# KiCad board sun3_60_layout2_routing2.kicad_pcb (continued)
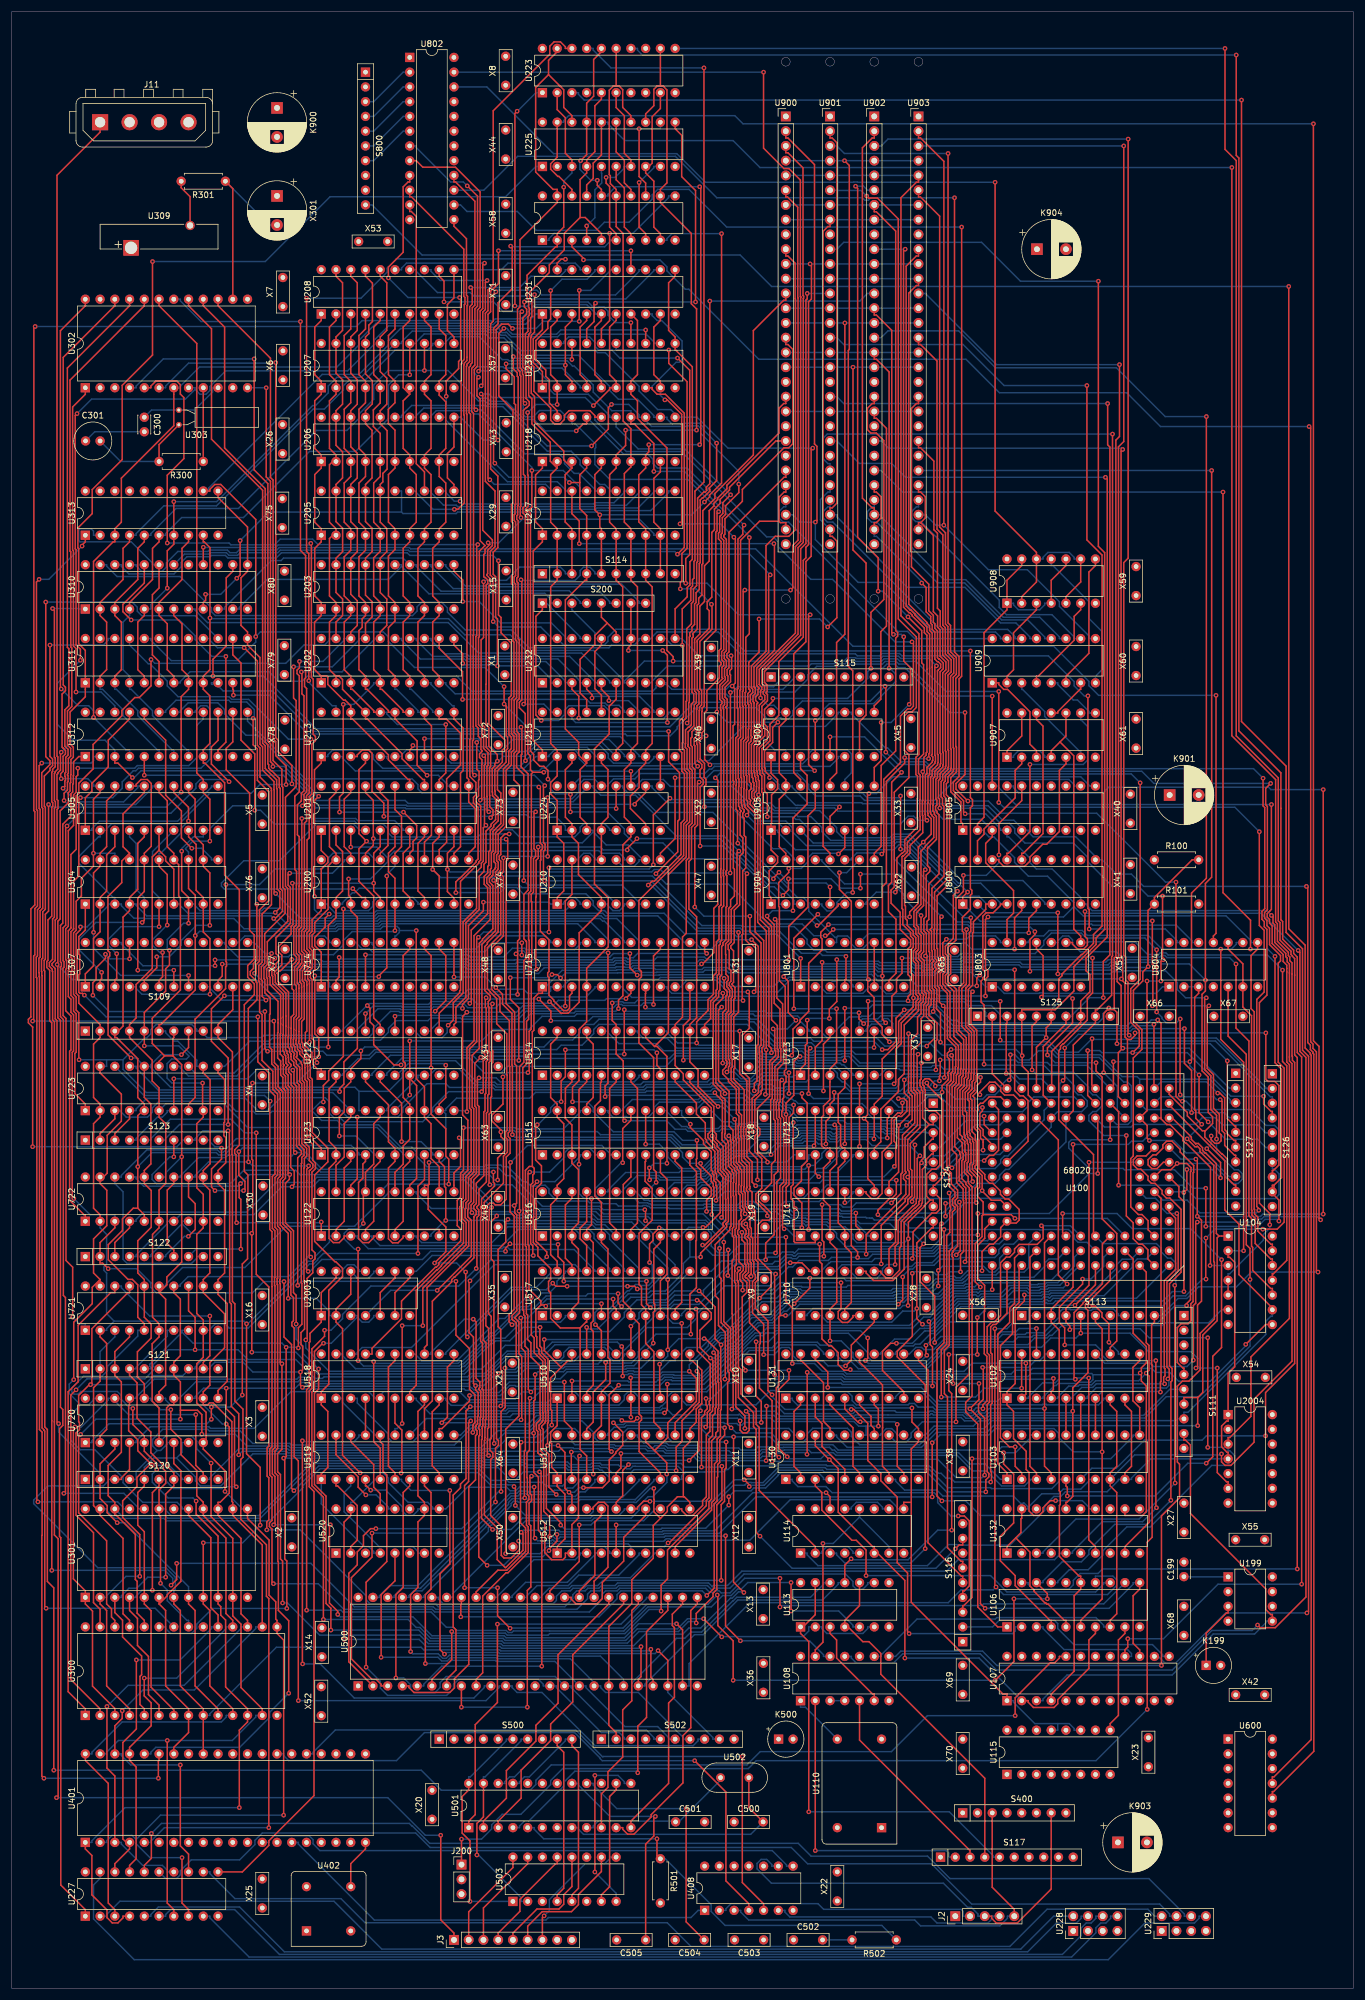
[diagram p0: board, top side]
## Routing (per net, layer and track width the routed paths; a pad name or vN(x,y) marks a point on that pad's centre or on a via; arc(x,y) is an arc through that point) (continued)
/Ethernet/E.D1: length 138
  Top w0.25: U500.8 v1(77.48,48.42) ; v1(89.55,88.19) 89.29,87.93 89.29,85.21 89.57,84.94 89.57,83.96 89.14,83.53 89.14,79.95 89.44,79.64 89.44,69.12 88.84,68.52 v1(88.84,48.42) ; v1(100.2,88.54) 100.2,95.5 101.6,96.9 U510.4 101.6,102.73 103.08,104.21 103.08,108.26 102.73,108.61 102.73,127.29 101.6,128.41 U516.5 101.6,135.32 100.47,136.44 100.47,151.89 101.44,152.86 101.44,155.93 101.6,156.09 U514.5
  Bottom w0.25: v1(89.55,88.19) 92.07,88.19 92.66,88.78 99.96,88.78 v1(100.2,88.54) ; v1(88.84,48.42) v1(77.48,48.42)
/Ethernet/E.D2: length 164.1
  Top w0.25: v1(84.25,100.28) 84.57,100.59 84.57,106.22 84.25,106.54 84.25,113.46 83.81,113.91 83.81,127.19 85.12,128.5 85.12,132.04 v1(85.5,132.42) ; U500.7 74.94,53.21 76.54,54.81 76.54,61.75 76.07,62.22 76.07,84.93 77.33,86.19 77.33,86.83 78.27,87.78 78.27,99.42 v1(79.02,100.16) ; U516.6 104.14,130.67 103.01,131.79 103.01,154.96 104.14,156.09 U514.6
  Bottom w0.25: U510.7 108.09,101.6 108.09,101.78 107.15,102.73 106.21,102.73 105.55,102.07 105.55,101.37 104.62,100.43 89.68,100.43 89.56,100.31 84.29,100.31 v1(84.25,100.28) 84.14,100.16 v1(79.02,100.16) ; v1(85.5,132.42) 85.72,132.2 97.44,132.2 97.69,131.95 100.2,131.95 100.65,131.49 102.19,131.49 U516.6
/Ethernet/E.D3: length 168.8
  Top w0.25: v1(111.63,107.48) 111.63,102.85 111.76,102.73 U510.8 ; U514.7 106.68,156.09 107.81,154.96 107.81,131.79 106.68,130.67 U516.7 ; v1(75.81,61.45) 75.81,56.62 72.4,53.21 U500.6 ; v1(111.89,64.97) 111.89,69.41 112.98,70.51 112.98,75.48 120.13,82.62 120.13,83.81 120.58,84.27 120.58,94.27 121.3,94.99 121.3,95.63 121.65,95.98 121.65,99.71 121.79,99.85 121.79,104.32 121.7,104.41 121.7,109.71 119.54,111.87 v1(119.3,111.87) ; v1(113.03,109.96) v1(113.03,122.05)
  Bottom w0.25: v1(113.03,122.05) 113.03,124.06 107.81,129.28 107.81,129.54 U516.7 ; v1(111.63,107.48) 113.03,108.88 v1(113.03,109.96) 114.94,111.87 v1(119.3,111.87) ; v1(75.81,61.45) 76.09,61.17 85.03,61.17 85.38,60.82 92.42,60.82 92.68,61.08 105.65,61.08 109.81,65.24 111.61,65.24 v1(111.89,64.97)
/Ethernet/E.D4: length 230.1
  Top w0.25: v1(83.57,133) 83.57,132.98 82.63,132.04 82.63,125.58 83.08,125.14 83.08,93.88 v1(83.14,93.82) ; 89.95,95.59 v1(89.93,95.59) ; 89.95,95.59 89.95,101.15 90.18,101.38 v1(90.18,105.69) ; 89.95,95.59 89.95,88.83 90.75,88.02 90.75,78.86 91.33,78.28 v1(91.33,55.48) ; v1(80.52,156.77) 80.24,156.49 80.24,152.11 80.52,151.83 80.52,140.16 79.6,139.24 79.6,135.32 79.15,134.87 79.15,133.71 v1(79.29,133.56)
  Bottom w0.25: v1(90.18,105.69) 90.67,106.17 95.08,106.17 95.52,106.61 105.81,106.61 105.96,106.76 108.39,106.76 110.63,109.01 110.63,109.22 U510.13 ; U514.8 108.09,157.22 108.09,156.93 107.25,156.09 84.17,156.09 83.48,156.77 v1(80.52,156.77) ; v1(83.14,93.82) 84.9,95.59 v1(89.93,95.59) ; U516.8 106.81,131.95 100.84,131.95 100.38,132.4 100.06,132.4 99.61,132.85 88.25,132.85 88.22,132.88 88.12,132.88 87.89,132.65 86.91,132.65 86.28,133.29 83.57,133.29 ; U500.5 70.99,52.08 70.99,52.36 74.1,55.48 v1(91.33,55.48) ; 83.57,133.29 79.57,133.29 v1(79.29,133.56) ; 83.57,133.29 v1(83.57,133)
/Ethernet/E.D5: length 211
  Top w0.25: v1(111.16,161.09) 111.16,158.94 111.76,158.34 U514.9 ; U500.4 68.45,52.08 68.45,51.8 69.29,50.95 75.5,50.95 76.29,51.75 76.29,53.33 78.75,55.79 78.75,86.41 79.91,87.57 79.91,95.16 80.18,95.42 80.18,96.02 79.91,96.29 79.91,96.66 79.99,96.74 79.99,96.94 80.27,97.22 80.27,98.45 80.37,98.55 80.37,102.6 79.92,103.05 v1(79.92,103.78) 79.56,104.14 79.56,112.14 78.8,112.89 78.8,121.66 v1(78.96,121.83) ; U516.9 111.76,128.41 110.62,127.27 110.62,117.97 110.78,117.81 110.78,116.65 110.54,116.4 v1(110.54,111.09) ; v1(95.39,161.61) 95.39,156.96 94.67,156.24 v1(94.67,152.67) ; v1(90.56,148.7) 90.26,148.41 90.26,142.64 91.27,141.62 91.27,138.62 90.31,137.66 90.31,135.14 90.38,135.07 90.38,132.59 90.31,132.52 90.31,128.6 90.5,128.41 90.58,128.41 92.18,126.81 v1(92.18,125.97)
  Bottom w0.25: v1(94.67,152.67) 93.92,152.67 92.85,151.61 92.85,150.9 90.66,148.7 v1(90.56,148.7) ; v1(78.96,121.83) 82.49,125.35 91.56,125.35 v1(92.18,125.97) ; v1(111.16,161.09) 110.64,161.61 v1(95.39,161.61) ; v1(110.54,111.09) 109.22,109.78 U510.14 107.21,107.21 105.77,107.21 105.62,107.06 95.33,107.06 95.01,106.74 88.61,106.74 87.38,105.51 84.47,105.51 84.15,105.19 83.54,105.19 83.15,105.58 83.12,105.58 81.32,103.78 v1(79.92,103.78)
/Ethernet/E.D6: length 167.3
  Top w0.25: U514.10 114.3,156.09 117.97,152.42 117.97,150.54 119.5,149.01 119.5,146.3 119.69,146.11 119.69,145.8 120.63,144.86 120.63,144.61 121.15,144.1 121.15,142.84 121.21,142.78 121.21,140.45 121.43,140.23 121.43,139.31 122.07,138.68 122.07,133.56 119.55,131.04 v1(119.09,131.04) ; v1(83.35,83.74) 83.35,93.01 83.86,93.52 83.86,94.31 83.53,94.65 83.53,105.6 v1(83.85,105.92) ; v1(111.56,130.94) 110.49,129.87 110.49,128.77 109.89,128.17 v1(109.89,124.99) ; v1(62.09,78.39) 62.09,74.27 58.53,70.71 58.53,56.74 62.06,53.21 62.81,53.21 63.65,52.36 63.65,52.08 U500.3 ; U510.17 101.6,113.25 v1(100.58,114.27)
  Bottom w0.25: v1(83.35,83.74) 78,78.39 v1(62.09,78.39) ; U510.17 101.6,108.09 101.02,107.52 95.15,107.52 94.82,107.19 88.03,107.19 86.94,106.1 84.02,106.1 v1(83.85,105.92) ; v1(119.09,131.04) 116.64,131.04 115.43,129.82 115.43,129.54 U516.10 113.17,129.54 113.17,129.82 112.05,130.94 v1(111.56,130.94) ; v1(109.89,124.99) 110.37,124.52 110.37,121.67 109.72,121.02 108.26,121.02 108.08,121.2 107.48,121.2 106.4,120.12 106.08,120.12 103.01,117.05 101.17,117.05 100.47,116.35 100.47,114.37 v1(100.58,114.27)
/Ethernet/E.D7: length 163.2
  Top w0.25: v1(85,106.82) 85.02,106.79 85.02,100.02 84.32,99.31 v1(84.32,85.56) ; v1(62.75,79.16) 61.82,79.16 60.61,77.94 60.61,76.22 59.55,75.17 59.55,72.93 58.08,71.47 58.08,56.24 U500.2 ; U510.18 v1(99.06,113.82) ; U514.11 116.84,156.01 120.97,151.88 120.97,147.52 121.4,147.09 121.4,146.49 121.35,146.44 121.35,146.2 122.56,144.99 122.56,141.01 123.2,140.38 123.2,140.28 123.47,140.01 123.47,139.14 123.42,139.09 123.42,136.1 123.47,136.05 123.47,132.05 123.03,131.61 123.17,131.47 123.17,131.09 118.69,126.61 v1(118.69,125.93)
  Bottom w0.25: 116.84,125.93 115.71,124.8 115.71,123.19 112.58,120.06 110.07,120.06 109.62,119.61 106.24,119.61 102.87,116.24 102.87,115.46 100.95,113.54 99.34,113.54 v1(99.06,113.82) ; 116.84,125.93 U516.11 ; 116.84,125.93 v1(118.69,125.93) ; U510.18 97.93,109.22 97.93,109.03 96.87,107.97 94.96,107.97 94.63,107.64 87.81,107.64 86.72,106.55 85.27,106.55 v1(85,106.82) ; v1(62.75,79.16) 77.53,79.16 83.93,85.56 v1(84.32,85.56)
/Ethernet/E.D8: length 116.7
  Top w0.25: U517.4 99.06,114.72 98.93,114.72 97.93,113.72 ; 97.93,113.72 94.51,113.72 92.85,115.38 92.85,119.77 92.49,120.13 92.49,121.72 92.85,122.08 92.85,123.93 90.65,126.13 90.65,127.59 90.31,127.94 90.31,127.97 89.86,128.42 89.86,132.71 89.93,132.78 89.93,134.88 89.86,134.95 89.86,138.16 90.5,138.8 v1(90.5,138.91) ; 97.93,113.72 97.93,92.81 99.06,91.68 U511.3
  Bottom w0.25: v1(90.5,138.91) 93.6,138.91 97.93,143.24 97.93,143.52 U515.4 ; U500.47 63.37,67.32 63.37,67.6 65.12,69.35 70,69.35 85.88,85.23 87.03,85.23 87.43,85.63 88.88,85.63 89.01,85.49 93.25,85.49 93.52,85.77 95.33,85.77 95.72,86.15 96.67,86.15 97.93,87.42 97.93,87.64 U511.3
/Ethernet/E.D9: length 133.1
  Top w0.25: v1(89.25,140.56) 88.96,140.26 88.96,134.58 89.03,134.51 89.03,133.16 88.96,133.08 88.96,128.04 89.13,127.87 89.13,120.39 91.17,118.35 91.17,117.67 ; 91.17,117.67 90.3,116.81 90.3,112.36 90.47,112.2 90.47,110.37 90.85,109.99 90.85,109.26 90.96,109.15 91.94,108.17 91.94,99.32 91.99,99.27 91.99,97.6 91.87,97.48 91.87,97.37 91.3,96.8 91.3,96.52 91.56,96.26 91.56,92.97 92.57,91.96 92.57,86.29 v1(93.82,85.04) ; 91.17,117.67 91.83,117.67 v1(92.02,117.48) ; U517.5 v1(101.6,117.89)
  Bottom w0.25: U500.46 65.91,67.32 65.91,67.6 67.2,68.9 70.44,68.9 85.15,83.61 85.15,83.86 86.07,84.78 87.22,84.78 87.62,85.18 88.69,85.18 88.83,85.04 v1(93.82,85.04) 94.17,84.7 97.1,84.7 97.89,85.49 98.81,85.49 100.47,87.16 100.47,87.64 U511.4 ; U515.5 100.47,143.52 100.47,143.8 99.61,144.67 96.02,144.67 95.25,143.89 95.25,143.13 92.68,140.56 v1(89.25,140.56) ; v1(101.6,117.89) 92.43,117.89 v1(92.02,117.48)
/Ethernet/E.D10: length 153.9
  Top w0.25: v1(87.71,115.45) 87.83,115.33 87.83,110.23 88.5,109.56 88.5,92.69 88.33,92.52 88.33,84.51 v1(88.39,84.45) ; v1(86.2,114.27) 85.69,114.77 85.69,116.03 86.57,116.9 86.57,132.99 85.86,133.7 85.86,142.12 v1(85.96,142.22) ; v1(103.62,118.7) 103.62,117.49 104.14,116.97 U517.6
  Bottom w0.25: 88.39,84.37 88.51,84.24 97.37,84.24 97.75,84.63 105.3,84.63 108.09,87.42 108.09,87.64 U511.7 ; 88.39,84.37 v1(88.39,84.45) ; 88.39,84.37 88.35,84.33 86.25,84.33 85.6,83.68 85.6,83.33 82.46,80.19 82.37,80.19 81.68,79.5 81.68,79.43 70.7,68.45 69.29,68.45 68.45,67.6 68.45,67.32 U500.45 ; v1(103.62,118.7) 92.21,118.7 88.96,115.45 v1(87.71,115.45) 86.53,114.27 v1(86.2,114.27) ; v1(85.96,142.22) 88.87,145.13 101.68,145.13 103.01,143.8 103.01,143.52 U515.6
/Ethernet/E.D11: length 110.8
  Top w0.25: U511.8 111.76,88.77 108.09,92.43 108.09,97.46 108.51,97.88 108.51,98.48 108.09,98.89 108.09,114.43 U517.7 106.68,116.97 105.37,118.28 105.37,138.41 106.68,139.72 U515.7
  Bottom w0.25: U511.8 110.63,87.64 110.63,87.36 107.41,84.14 107.37,84.18 97.94,84.18 97.48,83.72 87.28,83.72 87.12,83.88 86.44,83.88 86.05,83.49 86.05,83.13 82.67,79.74 82.56,79.74 82.13,79.32 82.13,78.69 70.99,67.54 70.99,67.32 U500.44
/Ethernet/E.D12: length 140
  Top w0.25: U515.8 109.22,142.39 109.13,142.3 109.13,138.97 110.35,137.75 110.35,132.28 108.09,130.02 108.09,121.19 108.51,120.77 108.51,117.69 109.22,116.97 U517.8 109.22,111.05 110.63,109.64 110.63,97.51 111.76,96.39 U511.13 ; v1(122.24,70.25) 122.24,83.29 122.81,83.86 122.81,89.33 123.08,89.61 v1(123.08,94.07)
  Bottom w0.25: v1(122.24,70.25) 101.87,70.25 100.97,69.35 99.07,69.35 98.61,68.9 96.71,68.9 96.26,68.45 94.78,68.45 93.85,67.51 93.85,66.78 93.25,66.19 74.38,66.19 73.53,67.04 73.53,67.32 U500.43 ; U511.13 112.89,95.26 112.89,94.98 113.79,94.07 v1(123.08,94.07)
/Ethernet/E.D13: length 113.6
  Top w0.25: v1(115.43,114.51) 115.43,99.77 113.03,97.37 113.03,94.86 110.76,92.59 ; 110.76,92.59 112.85,90.5 v1(112.85,88.55) ; 110.76,92.59 109.22,94.13 U511.14 ; U517.9 111.76,121.83 112.9,122.97 112.9,139.33 111.76,140.47 U515.9
  Bottom w0.25: U517.9 112.89,115.84 112.89,115.56 113.94,114.51 v1(115.43,114.51) ; U500.42 76.07,67.32 76.07,68.05 88.55,80.53 99.9,80.53 100.35,80.98 106.75,80.98 108.09,82.33 108.09,83.11 109.65,84.67 110.43,84.67 112.89,87.12 112.89,88.52 v1(112.85,88.55)
/Ethernet/E.D14: length 155.4
  Top w0.25: v1(117.88,116.99) 118.12,116.75 118.12,109.78 120.34,107.55 120.34,103.85 120.35,103.85 120.35,101.26 120.18,101.09 120.18,100.57 120.29,100.45 120.29,99.61 119.84,99.16 119.84,96.93 v1(119.56,96.65) ; U515.10 114.3,142.39 115.43,141.27 115.43,118.1 114.3,116.97 U517.10 ; U500.41 77.48,66.19 77.37,66.09 v1(77.37,63.97) ; v1(119.75,67.65) 121.03,68.93 121.03,83.43 121.53,83.93 121.53,87.98 121.63,88.08 121.63,90.21 121.98,90.56 121.98,94.39 122.83,95.24 v1(122.83,96.54)
  Bottom w0.25: v1(117.88,116.99) 116.29,116.99 115.43,116.13 115.43,115.84 U517.10 ; v1(77.37,63.97) 101.18,63.97 104.29,67.09 104.29,67.79 104.95,68.45 118.96,68.45 v1(119.75,67.65) ; v1(122.83,96.54) 122.71,96.65 v1(119.56,96.65) 119.29,96.93 105.9,96.93 105.6,96.62 103.81,96.62 102.73,95.54 102.73,95.26 U511.17
/Ethernet/E.D15: length 108.1
  Top w0.25: U511.18 99.06,96.39 100.19,97.51 100.19,102.69 102.33,104.83 v1(102.33,107.79) ; v1(87.77,94.03) 87.66,93.92 87.66,80.15 88.53,79.27 88.53,78.51 88.54,78.5 88.54,75.24 85.31,72.01 83.77,72.01 80.02,68.26 U500.40 ; U517.11 116.84,116.41 ; 116.84,116.41 116.84,119.53 117.97,120.65 117.97,125.62 117.88,125.72 117.88,128.71 117.97,128.8 117.97,140.63 116.84,141.75 U515.11 ; 116.84,116.41 117,116.25 v1(117,112.65)
  Bottom w0.25: U511.18 97.93,95.26 97.93,95.47 97.01,96.4 93.48,96.4 91.11,94.03 v1(87.77,94.03) ; v1(117,112.65) 110.99,112.65 107.95,109.61 107.95,108.85 106.76,107.66 105.58,107.66 105.53,107.61 102.51,107.61 v1(102.33,107.79)
/Ethernet/E.DAS-: length 107.3
  Top w0.25: U519.16 63.5,94.13 63.97,93.67 63.97,89.06 64.63,88.39 64.63,73.49 61.07,69.93 v1(61.07,55.31)
  Bottom w0.25: S502.3 105.55,42.92 105.55,43.18 104.69,44.04 101.6,44.04 93.85,51.8 93.85,52.08 U500.14 91.59,52.08 91.59,52.36 90.74,53.22 77.01,53.22 76.14,52.35 76.14,51.64 74.94,50.45 64.76,50.45 63.51,51.7 63.51,52.87 v1(61.07,55.31) ; U519.16 62.37,95.26 62.37,95.54 57.01,100.91 57.01,101.6 U518.2
/Ethernet/E.GAB: length 90
  Top w0.25: U514.3 96.52,156.09 95.4,154.97 95.4,152.37 95.36,152.34 95.36,149.82 96.52,148.67 U515.3 96.52,142.1 97.65,140.97 97.65,131.79 96.52,130.67 U516.3 96.52,128.41 97.65,127.29 97.65,118.1 96.52,116.97 U517.3
  Bottom w0.25: U517.3 95.39,115.84 95.39,115.56 94.55,114.72 87.76,114.72 84.99,111.95 83.19,111.95 82.73,111.49 82.43,111.49 78.15,107.21 78.15,107.21 78.02,107.09 77.67,107.09 77.28,106.7 59.24,106.7 57.01,108.94 57.01,109.22 U518.19
/Ethernet/E.GBA0-: length 62.5
  Top w0.25: U517.21 99.06,127.95 97.93,129.08 97.93,130.91 99.06,132.04 U516.21
  Bottom w0.25: U518.18 59.55,109.22 59.55,109.5 60.39,110.35 68.89,110.35 83.16,124.62 97.06,124.62 97.93,123.75 97.93,123.47 U517.21
/Ethernet/E.GBA1-: length 84.6
  Top w0.25: U514.21 99.06,163.71 100.19,162.58 100.19,153.39 99.06,152.27 U515.21 ; v1(77.84,148.19) 77.84,140.86 77.34,140.36 77.34,136.26 76.76,135.68 76.76,131.34 77.36,130.74 77.36,128.7 73.59,124.93 73.59,124.6 73.17,124.17 73,124.17 67.17,118.34 67.17,115.3 62.09,110.22 62.09,109.22 U518.17
  Bottom w0.25: U515.21 97.93,151.14 97.93,150.86 95.05,147.98 86.94,147.98 86.73,148.19 v1(77.84,148.19)
/Ethernet/E.HLDA-: length 100.2
  Top w0.25: v1(61.86,85.79) 61.13,86.51 60.96,86.51 U519.4 ; U518.8 71.12,100.47 69.99,99.35 69.99,84.81 71.12,83.69 U520.10 71.12,81.43 69.99,80.31 69.99,69.05 68.73,67.79 v1(68.73,58)
  Bottom w0.25: v1(61.86,85.79) 64.44,85.79 67.31,82.92 67.31,82.18 68.05,81.43 69.15,81.43 69.99,82.28 69.99,82.56 U520.10 ; v1(68.73,58) 69.12,57.61 73.49,57.61 73.84,57.26 74.27,56.83 74.87,56.83 75.29,57.26 75.42,57.38 83.71,57.38 83.89,57.21 101.42,57.21 105.42,53.21 U500.19
/Ethernet/E.HLDX-: length 18.6
  Top w0.25: U519.19 55.88,91.89 59.69,88.08 59.69,86.3 v1(61.02,84.97)
  Bottom w0.25: v1(61.02,84.97) 62.78,84.97 64.91,82.84 64.91,82.56 U520.12
/Ethernet/E.HREQ-: length 23
  Bottom w0.25: U520.7 69.99,74.94 69.99,75.22 69.15,76.07 63.3,76.07 57.29,82.08 57.29,85.38 58.42,86.51 U519.3
/Ethernet/E.RCLK: length 58.5
  Top w0.25: U500.27 113.04,65.09 109.37,61.43 109.37,46.65 107.86,45.14 v1(107.86,37.12)
  Bottom w0.25: U501.4 87.49,27.68 87.49,27.96 88.33,28.8 89.08,28.8 95.2,34.92 95.2,35.58 97.02,37.4 107.59,37.4 v1(107.86,37.12)
/Ethernet/E.RDY-: length 119.6
  Top w0.25: U500.22 113.04,56.48 v1(111.36,58.16) ; U519.6 66.04,88.77 64.91,89.89 64.91,106.97 66.04,108.09 U518.15 ; v1(74.57,57.56) 73.8,58.33 73.8,71.39 75.49,73.07 v1(75.49,85.74)
  Bottom w0.25: U500.22 113.04,50.95 120.79,43.2 120.79,42.92 S502.9 ; v1(75.49,85.74) 68.79,85.74 67.17,87.36 67.17,87.64 U519.6 ; v1(74.57,57.56) 74.84,57.83 83.9,57.83 84.07,57.66 110.86,57.66 v1(111.36,58.16)
/Ethernet/E.RENA: length 48.6
  Top w0.25: U501.3 83.82,28.8 87.77,32.75 87.77,37.58 92.85,42.66 92.85,45.51 96.66,49.32 96.66,57.43 105.42,66.19 U500.30
/Ethernet/E.RX: length 48.6
  Top w0.25: U501.2 81.28,28.8 85.23,32.75 85.23,37.5 90.31,42.58 90.31,45.29 94.13,49.11 94.13,57.45 102.88,66.19 U500.31
/Ethernet/E.RX+: length 42.5
  Top w0.25: S500.9 93.98,41.79 95.11,40.66 95.11,17.23 93.98,16.1 U503.4
  Bottom w0.25: U501.22 84.95,35.3 84.95,35.58 85.79,36.42 86.64,36.42 92.85,42.63 92.85,42.92 S500.9
/Ethernet/E.RX+<>: length 18.6
  Top w0.25: U503.13 93.98,21.47 93.7,21.47 87.56,15.33 87.56,13.26 83.82,9.53 J3.4
/Ethernet/E.RX-: length 42.5
  Top w0.25: S500.10 96.52,41.79 97.65,40.66 97.65,17.23 96.52,16.1 U503.5
  Bottom w0.25: U501.21 87.49,35.3 87.49,35.58 88.33,36.42 89.18,36.42 95.39,42.63 95.39,42.92 S500.10
/Ethernet/E.RX-<>: length 20.7
  Top w0.25: U503.12 96.52,17.53 95.11,16.12 95.11,14.49 94.28,13.66 90.5,13.66 86.36,9.53 J3.5
/Ethernet/E.TCLK: length 49
  Top w0.25: U500.25 118.12,66.19 116.99,65.07 116.99,44.87 115.64,43.52 115.64,35.38 110.17,29.91 110.17,29.52 107.2,26.55 106.11,26.55 105.27,27.39 105.27,27.68 U501.11
/Ethernet/E.TENA: length 43.6
  Top w0.25: U500.26 115.58,66.19 113.81,64.43 113.81,62.48 114.18,62.11 114.18,50.14 113.17,49.14 113.17,35.3 106.68,28.8 U501.12
/Ethernet/E.TX: length 42.3
  Top w0.25: U501.10 101.6,33.5 102.73,34.62 102.73,37.29 105.27,39.83 105.27,47.95 106.83,49.51 106.83,65.07 107.96,66.19 U500.29
/Ethernet/E.TX+: length 21.4
  Top w0.25: U503.7 101.6,16.1 103.01,17.51 103.01,33.04 104.14,34.17 U501.14
/Ethernet/E.TX+<>: length 22.5
  Top w0.25: J3.6 88.9,10.71 91.41,13.21 96.44,13.21 97.65,14.42 97.65,16.17 101.6,20.12 U503.10
/Ethernet/E.TX-: length 30.2
  Top w0.25: v1(100.47,20.04) v1(100.47,36.67)
  Bottom w0.25: U503.8 104.14,16.38 v1(100.47,20.04) ; U501.13 105.55,35.3 105.55,35.58 104.46,36.67 v1(100.47,36.67)
/Ethernet/E.TX-<>: length 22.1
  Top w0.25: v1(91.73,12.49) 91.44,12.2 J3.7
  Bottom w0.25: v1(91.73,12.49) 92.64,13.39 92.64,15.29 98.82,21.47 102.17,21.47 103.01,22.31 103.01,22.6 U503.9
/Ethernet/E.WE-: length 92.2
  Top w0.25: U519.17 U518.4 ; v1(50.13,55.87) 50.09,55.91 v1(50.09,94.29)
  Bottom w0.25: v1(50.09,94.29) 50.24,94.13 58.99,94.13 59.83,94.98 59.83,95.26 U519.17 ; v1(50.13,55.87) 53.15,55.87 59.03,50 79.63,50 81.43,51.8 81.43,52.08 U500.10
/FC2: length 270.2
  Top w0.25: v1(214.84,133.97) 214.84,134.28 214.5,134.62 214.5,170.29 215.77,171.55 215.77,182.18 214.94,183.01 v1(214.94,199.15) ; U102.7 U103.14 ; v1(170.05,223.3) v1(170.05,204.19) ; v1(197.9,102.67) 197.9,104.39 198,104.49 198,136.02 U100.67
  Bottom w0.25: v1(214.84,133.97) 214.4,133.54 204.68,133.54 202.49,135.73 198.3,135.73 U100.67 ; v1(197.9,102.67) 197.79,102.78 187.88,102.78 U102.7 ; v1(170.05,204.19) 170.88,203.36 210.72,203.36 v1(214.94,199.15) ; v1(170.05,223.3) 160.97,223.3 155.79,228.48 153.04,228.48 152.6,228.93 150.28,228.93 149.84,228.48 145.37,228.48 145.17,228.68 144.19,228.68 143.6,228.08 137.76,228.08 137.36,227.68 112.95,227.68 110.35,225.08 110.35,224.8 U232.8
/HALT-: length 116.7
  Top w0.25: U107.4 179.09,50.67 183.04,54.62 183.04,67.61 184.16,68.73 U106.15 184.16,70.99 183.88,70.99 180.5,74.37 180.5,83.17 180.64,83.31 180.64,85.5 180.47,85.67 180.47,113.34 179.09,114.72 S113.3 179.09,116.97 182.84,120.73 v1(182.84,145.32)
  Bottom w0.25: v1(182.84,145.32) 192.37,145.32 192.91,145.87 194.85,145.87 196.3,147.32 U100.119
/INIT-: length 776.5
  Top w0.25: v1(161.92,160.65) 162.11,160.46 162.11,157.89 161.74,157.52 161.74,157.41 161.83,157.32 161.83,156.34 161.74,156.25 161.74,156.22 161.11,155.59 161.11,141.38 161.26,141.23 161.26,140.98 161.69,140.55 161.88,140.35 161.88,138.53 162.96,137.45 162.96,136.11 162.53,135.69 162.53,135.09 162.96,134.66 162.96,127.77 162.21,127.03 162.21,126.8 162.01,126.6 162.01,126 162.17,125.83 v1(162.17,104.15) ; v1(166.64,104.15) 166.64,101.37 v1(165.08,99.8) 166.89,97.99 166.89,66.24 v1(167.7,65.43) ; 7.96,176.3 7.96,167.13 8.41,166.68 8.41,100.08 8.82,99.67 8.82,96.94 8.25,96.37 8.25,77.82 8.47,77.61 8.47,17.8 12.7,13.56 U227.1 ; 7.96,176.3 v1(7.85,176.3) ; 7.96,176.3 7.96,183.75 8.36,184.15 8.36,202.73 9.77,204.14 9.77,205.66 9.77,205.67 9.77,205.88 10.07,206.18 10.07,207.51 10.18,207.62 10.18,208.96 10.22,209 10.22,211.58 10.63,211.98 10.63,213.71 10.07,214.27 10.07,219.77 12.7,222.4 U311.1 12.7,230.37 11.55,231.52 11.55,247.9 11.41,248.04 11.41,251.46 13.89,253.93 13.89,258.06 19.05,263.22 19.05,276.01 24.27,281.23 v1(24.27,297.33) ; U107.15 194.32,58.29 193.2,59.41 193.2,67.61 194.32,68.73 U106.11 ; v1(151.22,162.97) 149.98,164.22 149.98,165.5 148.57,166.91 148.57,170.6 147.48,171.69 147.48,173.57 v1(147.61,173.7) 147.45,173.87 147.45,205.49 v1(147.68,205.73)
  Bottom w0.25: 59.55,171.31 44.5,171.31 42.14,173.68 10.46,173.68 v1(7.85,176.3) ; 59.55,171.31 59.55,172.46 U714.3 ; 59.55,171.31 77.95,171.31 78.65,172.02 82.68,172.02 83.11,171.59 83.71,171.59 84.16,172.04 88.19,172.04 88.91,171.31 92.41,171.31 92.85,171.75 92.85,172.46 U715.2 95.11,172.46 95.11,172.67 96.17,173.74 111.44,173.74 111.77,174.07 121.54,174.07 122.01,173.6 122.43,173.17 123.1,173.17 123.76,172.51 131.27,172.51 132.23,173.47 133.29,173.47 133.72,173.9 133.92,174.1 147.22,174.1 v1(147.61,173.7) ; v1(147.68,205.73) 148.95,205.73 151.83,208.61 184.18,208.61 185.77,207.02 U805.11 ; v1(166.64,104.15) v1(162.17,104.15) ; v1(151.22,162.97) 157.99,162.97 160.31,160.65 v1(161.92,160.65) ; U131.8 152.27,101.6 152.27,101.88 153.12,102.73 156.77,102.73 159.41,100.08 164.8,100.08 v1(165.08,99.8) ; U225.1 90.31,313.7 85.1,308.49 54.86,308.49 43.69,297.33 v1(24.27,297.33) ; v1(167.7,65.43) 189.05,65.43 193.2,69.58 193.2,69.86 U106.11
/IO2CPU-: length 114.3
  Top w0.25: U123.1 53.34,144.65 51.89,146.09 51.89,146.62 51.47,147.05 51.34,147.17 51.34,156.33 50.98,156.69 50.98,158.71 50.97,158.72 50.97,159.4 50.83,159.54 50.83,160.31 50.08,161.06 50.08,161.53 49.7,161.92 49.7,162.53 49.44,162.79 49.44,163.04 49.5,163.1 49.5,164.75 49.51,164.75 49.51,166.67 49.95,167.12 49.95,172.39 49.95,172.39 49.95,172.98 49.65,173.28 49.65,175.38 49.95,175.69 49.95,175.79 50.2,176.04 50.2,176.11 50.3,176.21 50.3,176.26 50.44,176.4 50.44,178.12 49.95,178.6 49.95,182.11 50.4,182.56 50.4,189.4 50.44,189.43 50.44,200.62 50.82,200.99 50.82,205.38 51.27,205.83 51.27,214.8 v1(51.56,215.09)
  Bottom w0.25: U311.21 20.32,231.29 23.54,228.07 23.82,228.07 26.81,225.08 26.81,224.26 28.67,222.4 37.45,222.4 37.91,221.94 40.83,221.94 47.68,215.09 v1(51.56,215.09)
/IOLOCK-: length 328.6
  Top w0.25: v1(7.06,237.58) 7.37,237.27 7.37,211.99 7.51,211.85 7.51,210.35 7.06,209.9 7.06,209.53 6.92,209.38 6.92,204.31 7.09,204.14 7.09,203.54 6.92,203.37 6.92,184.62 6.26,183.97 6.26,177.02 6.05,176.81 6.05,175.78 6.56,175.28 6.56,166.62 6.92,166.26 6.92,97.73 6.92,97.73 v1(6.92,71.98) ; v1(27.47,69.43) 28.43,70.39 v1(28.43,73.18)
  Bottom w0.25: U113.9 147.48,69.86 147.48,69.58 146.63,68.73 145.52,68.73 144.94,69.31 144.94,70.05 143.65,71.34 126.17,71.34 123.74,68.92 121.07,68.92 120.8,68.64 120.58,68.64 119.87,69.35 104.58,69.35 104.13,68.9 101.79,68.9 101.34,68.45 99.78,68.45 99.21,67.88 99.21,67.09 97.38,65.26 73.08,65.26 72.63,65.71 60.93,65.71 60.93,65.71 59.03,65.71 51.56,73.18 v1(28.43,73.18) ; U310.1 11.57,237.5 11.49,237.58 v1(7.06,237.58) ; v1(6.92,71.98) 26.39,71.98 27.75,70.61 27.75,69.71 v1(27.47,69.43)
/IPL0-: length 236.9
  Top w0.25: v1(133.82,191.05) 133.82,189.15 v1(132.86,188.19) ; v1(90.72,196.52) 90.72,194.59 90.35,194.23 90.35,187.92 90.29,187.86 90.29,175.64 v1(90.46,175.47) ; v1(35.04,176.08) v1(35.04,177.08) ; v1(106.04,196.01) 106.04,196.29 v1(107.73,197.97) ; v1(161.99,141.28) 161.56,141.7 161.56,155.4 162.19,156.03 162.19,156.07 162.29,156.16 162.29,157.42 162.56,157.7 162.56,158.66 162.65,158.74 162.65,162.1 161.2,163.54 161.2,171.31 160.28,172.23 160.28,172.43 159.95,172.75 159.95,174.81 160.28,175.14 160.28,175.9 160.23,175.95 160.23,176.35 160.25,176.38 160.25,177.45 159.95,177.75 159.95,184.29 v1(160.19,184.52) ; v1(146.22,191.86) v1(146.22,189.43)
  Bottom w0.25: v1(107.73,197.97) 122.02,197.97 124.89,195.09 125.18,195.09 130.6,189.68 131.38,189.68 v1(132.86,188.19) ; v1(35.04,176.08) 22.62,176.08 18.91,179.79 18.91,180.08 U307.22 ; v1(35.04,177.08) 43.55,177.08 44.76,175.88 78.14,175.88 78.55,175.47 v1(90.46,175.47) ; U100.116 170.27,143.59 164.3,143.59 v1(161.99,141.28) ; v1(146.22,191.86) 152.85,191.86 v1(160.19,184.52) ; v1(146.22,189.43) 142.78,189.43 141.16,191.05 v1(133.82,191.05) ; v1(90.72,196.52) 101.39,196.52 101.9,196.01 v1(106.04,196.01)
/IPL1-: length 199.5
  Top w0.25: v1(14,170.99) 14,173.16 14.56,173.72 14.56,175.73 16.17,177.34 v1(16.17,178.06) ; v1(137.29,154.06) 137.29,161.61 v1(137.56,161.88) ; U307.21 v1(20.32,177.27) ; v1(44.08,161.35) 43.63,161.81 v1(43.63,168.2) ; v1(167.24,151.68) 167.24,151.09 166.79,150.64 166.79,148.43 167.35,147.86 167.35,146.84 168.93,145.27 U100.117
  Bottom w0.25: v1(167.24,151.68) 161.89,151.68 160,153.56 157.87,153.56 156.03,151.73 152.85,151.73 151.36,153.21 138.14,153.21 v1(137.29,154.06) ; v1(14,170.99) 16.8,168.2 v1(43.63,168.2) ; v1(44.08,161.35) 53.61,161.35 54.29,160.68 61.58,160.68 62.54,161.64 93.91,161.64 94.67,162.4 98.26,162.4 100.27,164.41 100.27,165.1 101.14,165.97 126.71,165.97 129.7,162.98 130.49,162.98 131.13,162.34 137.1,162.34 v1(137.56,161.88) ; v1(20.32,177.27) 16.96,177.27 v1(16.17,178.06)
/IPL2-: length 176.8
  Top w0.25: v1(172.78,175.39) 172.78,154.59 173.7,153.68 174.28,153.68 175.09,152.86 175.09,145.87 U100.103
  Bottom w0.25: U307.15 36.69,180.08 36.69,179.87 38.93,177.63 43.74,177.63 44.95,176.43 51.62,176.43 51.72,176.33 78.33,176.33 78.69,175.97 89.43,175.97 89.66,176.2 103.82,176.2 104.15,176.53 105.56,176.53 105.83,176.26 106.61,176.26 106.9,176.55 117.98,176.55 118.55,177.12 119.15,177.12 119.61,176.65 123.43,176.65 124.13,175.95 148.97,175.95 149.38,175.54 154.85,175.54 155.5,174.89 158.76,174.89 159.26,175.39 v1(172.78,175.39)